# KiCad board demomatrix.kicad_pcb (continued)
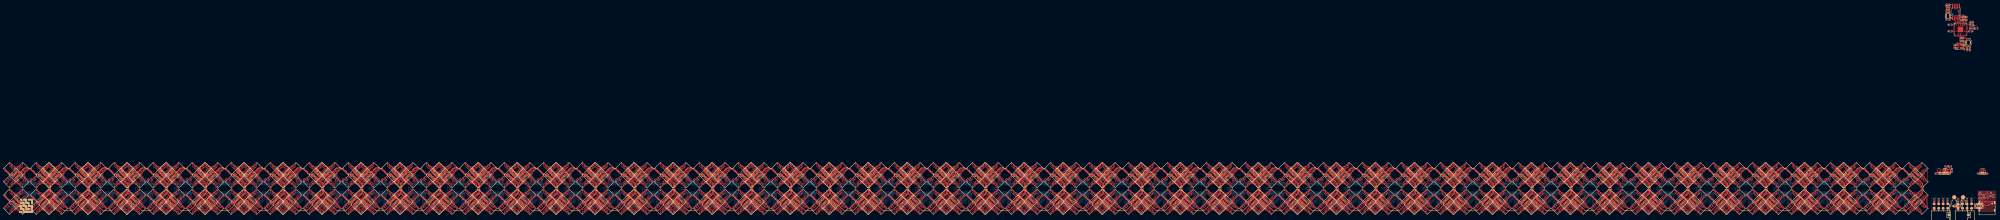
[diagram p0: board, top side]
## Library data of the parts (continued)
R57 = -: Datasheet: https://www.lcsc.com/datasheet/lcsc_datasheet_2206010216_UNI-ROYAL-Uniroyal-Elec-0402WGF1001TCE_C11702.pdf; LCSC: C11702; Manufacturer: UNI-ROYAL(Uniroyal Elec); Partnumber: 0402WGF1001TCE; PARAM_max_power: {"type": "Quantity_Set_Discrete", "data": {"intervals": {"type": "Numeric_Interval_Disjoint", "data": {"intervals": [{"type": "Numeric_Interval", "data": {"min": 0.0625, "max": 0.0625}}]}}, "unit": "watt"}}; PARAM_max_voltage: {"type": "Quantity_Set_Discrete", "data": {"intervals": {"type": "Numeric_Interval_Disjoint", "data": {"intervals": [{"type": "Numeric_Interval", "data": {"min": 50.0, "max": 50.0}}]}}, "unit": "volt"}}; PARAM_resistance: {"type": "Quantity_Interval_Disjoint", "data": {"intervals": {"type": "Numeric_Interval_Disjoint", "data": {"intervals": [{"type": "Numeric_Interval", "data": {"min": 990.0000002235174, "max": 1009.9999997764826}}]}}, "unit": "ohm"}}; atopile_address: debug_header.headers[1].protection_resistors[3]; atopile_subaddresses: [.ato/modules/atopile/saleae-header/layouts/rightangle-2/rightangle-2.kicad_pcb:headers[1].protection_resistors[3], .ato/modules/atopile/saleae-header/layouts/rightangle/rightangle.kicad_pcb:protection_resistors[3]]
R58 = -: Datasheet: https://www.lcsc.com/datasheet/lcsc_datasheet_2411221126_UNI-ROYAL-Uniroyal-Elec-0402WGF1002TCE_C25744.pdf; LCSC: C25744; Manufacturer: UNI-ROYAL(Uniroyal Elec); Partnumber: 0402WGF1002TCE; PARAM_max_power: {"type": "Quantity_Set_Discrete", "data": {"intervals": {"type": "Numeric_Interval_Disjoint", "data": {"intervals": [{"type": "Numeric_Interval", "data": {"min": 0.0625, "max": 0.0625}}]}}, "unit": "watt"}}; PARAM_max_voltage: {"type": "Quantity_Set_Discrete", "data": {"intervals": {"type": "Numeric_Interval_Disjoint", "data": {"intervals": [{"type": "Numeric_Interval", "data": {"min": 50.0, "max": 50.0}}]}}, "unit": "volt"}}; PARAM_resistance: {"type": "Quantity_Interval_Disjoint", "data": {"intervals": {"type": "Numeric_Interval_Disjoint", "data": {"intervals": [{"type": "Numeric_Interval", "data": {"min": 9900.000002235174, "max": 10099.999997764826}}]}}, "unit": "ohm"}}; atopile_address: ldo.feedback_divider.r_bottom; atopile_subaddresses: [.ato/modules/atopile/st-ldk220/layouts/default/default.kicad_pcb:feedback_divider.r_bottom]
R59 = -: Datasheet: https://www.lcsc.com/datasheet/lcsc_datasheet_2304140030_YAGEO-RC0402FR-0718KL_C138044.pdf; LCSC: C138044; Manufacturer: YAGEO; Partnumber: RC0402FR-0718KL; PARAM_max_power: {"type": "Quantity_Set_Discrete", "data": {"intervals": {"type": "Numeric_Interval_Disjoint", "data": {"intervals": [{"type": "Numeric_Interval", "data": {"min": 0.0625, "max": 0.0625}}]}}, "unit": "watt"}}; PARAM_max_voltage: {"type": "Quantity_Set_Discrete", "data": {"intervals": {"type": "Numeric_Interval_Disjoint", "data": {"intervals": [{"type": "Numeric_Interval", "data": {"min": 50.0, "max": 50.0}}]}}, "unit": "volt"}}; PARAM_resistance: {"type": "Quantity_Interval_Disjoint", "data": {"intervals": {"type": "Numeric_Interval_Disjoint", "data": {"intervals": [{"type": "Numeric_Interval", "data": {"min": 17820.000004023314, "max": 18179.999995976686}}]}}, "unit": "ohm"}}; atopile_address: ldo.feedback_divider.r_top; atopile_subaddresses: [.ato/modules/atopile/st-ldk220/layouts/default/default.kicad_pcb:feedback_divider.r_top]
R60 = -: Datasheet: https://www.lcsc.com/datasheet/lcsc_datasheet_2411221126_UNI-ROYAL-Uniroyal-Elec-0402WGF1002TCE_C25744.pdf; LCSC: C25744; Manufacturer: UNI-ROYAL(Uniroyal Elec); Partnumber: 0402WGF1002TCE; PARAM_max_power: {"type": "Quantity_Set_Discrete", "data": {"intervals": {"type": "Numeric_Interval_Disjoint", "data": {"intervals": [{"type": "Numeric_Interval", "data": {"min": 0.0625, "max": 0.0625}}]}}, "unit": "watt"}}; PARAM_max_voltage: {"type": "Quantity_Set_Discrete", "data": {"intervals": {"type": "Numeric_Interval_Disjoint", "data": {"intervals": [{"type": "Numeric_Interval", "data": {"min": 50.0, "max": 50.0}}]}}, "unit": "volt"}}; PARAM_resistance: {"type": "Quantity_Interval_Disjoint", "data": {"intervals": {"type": "Numeric_Interval_Disjoint", "data": {"intervals": [{"type": "Numeric_Interval", "data": {"min": 9900.000002235174, "max": 10099.999997764826}}]}}, "unit": "ohm"}}; atopile_address: led_3v3.resistor; atopile_subaddresses: [.ato/modules/atopile/indicator-leds/layouts/green/green.kicad_pcb:resistor]
R61 = -: Datasheet: https://www.lcsc.com/datasheet/lcsc_datasheet_2411221126_UNI-ROYAL-Uniroyal-Elec-0402WGF1002TCE_C25744.pdf; LCSC: C25744; Manufacturer: UNI-ROYAL(Uniroyal Elec); Partnumber: 0402WGF1002TCE; PARAM_max_power: {"type": "Quantity_Set_Discrete", "data": {"intervals": {"type": "Numeric_Interval_Disjoint", "data": {"intervals": [{"type": "Numeric_Interval", "data": {"min": 0.0625, "max": 0.0625}}]}}, "unit": "watt"}}; PARAM_max_voltage: {"type": "Quantity_Set_Discrete", "data": {"intervals": {"type": "Numeric_Interval_Disjoint", "data": {"intervals": [{"type": "Numeric_Interval", "data": {"min": 50.0, "max": 50.0}}]}}, "unit": "volt"}}; PARAM_resistance: {"type": "Quantity_Interval_Disjoint", "data": {"intervals": {"type": "Numeric_Interval_Disjoint", "data": {"intervals": [{"type": "Numeric_Interval", "data": {"min": 9900.000002235174, "max": 10099.999997764826}}]}}, "unit": "ohm"}}; atopile_address: led_5v.resistor; atopile_subaddresses: [.ato/modules/atopile/indicator-leds/layouts/blue/blue.kicad_pcb:resistor]
R62 = -: Datasheet: https://www.lcsc.com/datasheet/lcsc_datasheet_2411221126_UNI-ROYAL-Uniroyal-Elec-0402WGF1002TCE_C25744.pdf; LCSC: C25744; Manufacturer: UNI-ROYAL(Uniroyal Elec); Partnumber: 0402WGF1002TCE; PARAM_max_power: {"type": "Quantity_Set_Discrete", "data": {"intervals": {"type": "Numeric_Interval_Disjoint", "data": {"intervals": [{"type": "Numeric_Interval", "data": {"min": 0.0625, "max": 0.0625}}]}}, "unit": "watt"}}; PARAM_max_voltage: {"type": "Quantity_Set_Discrete", "data": {"intervals": {"type": "Numeric_Interval_Disjoint", "data": {"intervals": [{"type": "Numeric_Interval", "data": {"min": 50.0, "max": 50.0}}]}}, "unit": "volt"}}; PARAM_resistance: {"type": "Quantity_Interval_Disjoint", "data": {"intervals": {"type": "Numeric_Interval_Disjoint", "data": {"intervals": [{"type": "Numeric_Interval", "data": {"min": 9900.000002235174, "max": 10099.999997764826}}]}}, "unit": "ohm"}}; atopile_address: micro.boot_switch.filter.resistor; atopile_subaddresses: [.ato/modules/atopile/raspberry-rp2040/layouts/default/default.kicad_pcb:boot_switch.filter.resistor]
R63 = -: Datasheet: https://www.lcsc.com/datasheet/lcsc_datasheet_2206010216_UNI-ROYAL-Uniroyal-Elec-0402WGF1001TCE_C11702.pdf; LCSC: C11702; Manufacturer: UNI-ROYAL(Uniroyal Elec); Partnumber: 0402WGF1001TCE; PARAM_max_power: {"type": "Quantity_Set_Discrete", "data": {"intervals": {"type": "Numeric_Interval_Disjoint", "data": {"intervals": [{"type": "Numeric_Interval", "data": {"min": 0.0625, "max": 0.0625}}]}}, "unit": "watt"}}; PARAM_max_voltage: {"type": "Quantity_Set_Discrete", "data": {"intervals": {"type": "Numeric_Interval_Disjoint", "data": {"intervals": [{"type": "Numeric_Interval", "data": {"min": 50.0, "max": 50.0}}]}}, "unit": "volt"}}; PARAM_resistance: {"type": "Quantity_Interval_Disjoint", "data": {"intervals": {"type": "Numeric_Interval_Disjoint", "data": {"intervals": [{"type": "Numeric_Interval", "data": {"min": 990.0000002235174, "max": 1009.9999997764826}}]}}, "unit": "ohm"}}; atopile_address: micro.crystal_oscillator.current_limiting_resistor; atopile_subaddresses: [.ato/modules/atopile/raspberry-rp2040/layouts/default/default.kicad_pcb:crystal_oscillator.current_limiting_resistor]
R64 = -: Datasheet: https://www.lcsc.com/datasheet/lcsc_datasheet_2411221126_UNI-ROYAL-Uniroyal-Elec-0402WGF1002TCE_C25744.pdf; LCSC: C25744; Manufacturer: UNI-ROYAL(Uniroyal Elec); Partnumber: 0402WGF1002TCE; PARAM_max_power: {"type": "Quantity_Set_Discrete", "data": {"intervals": {"type": "Numeric_Interval_Disjoint", "data": {"intervals": [{"type": "Numeric_Interval", "data": {"min": 0.0625, "max": 0.0625}}]}}, "unit": "watt"}}; PARAM_max_voltage: {"type": "Quantity_Set_Discrete", "data": {"intervals": {"type": "Numeric_Interval_Disjoint", "data": {"intervals": [{"type": "Numeric_Interval", "data": {"min": 50.0, "max": 50.0}}]}}, "unit": "volt"}}; PARAM_resistance: {"type": "Quantity_Interval_Disjoint", "data": {"intervals": {"type": "Numeric_Interval_Disjoint", "data": {"intervals": [{"type": "Numeric_Interval", "data": {"min": 9900.000002235174, "max": 10099.999997764826}}]}}, "unit": "ohm"}}; atopile_address: micro.red_led.current_limiting_resistor; atopile_subaddresses: [.ato/modules/atopile/raspberry-rp2040/layouts/default/default.kicad_pcb:red_led.current_limiting_resistor]
R65 = -: Datasheet: https://www.lcsc.com/datasheet/lcsc_datasheet_2411221126_UNI-ROYAL-Uniroyal-Elec-0402WGF1002TCE_C25744.pdf; LCSC: C25744; Manufacturer: UNI-ROYAL(Uniroyal Elec); Partnumber: 0402WGF1002TCE; PARAM_max_power: {"type": "Quantity_Set_Discrete", "data": {"intervals": {"type": "Numeric_Interval_Disjoint", "data": {"intervals": [{"type": "Numeric_Interval", "data": {"min": 0.0625, "max": 0.0625}}]}}, "unit": "watt"}}; PARAM_max_voltage: {"type": "Quantity_Set_Discrete", "data": {"intervals": {"type": "Numeric_Interval_Disjoint", "data": {"intervals": [{"type": "Numeric_Interval", "data": {"min": 50.0, "max": 50.0}}]}}, "unit": "volt"}}; PARAM_resistance: {"type": "Quantity_Interval_Disjoint", "data": {"intervals": {"type": "Numeric_Interval_Disjoint", "data": {"intervals": [{"type": "Numeric_Interval", "data": {"min": 9900.000002235174, "max": 10099.999997764826}}]}}, "unit": "ohm"}}; atopile_address: micro.reset_switch.filter.resistor; atopile_subaddresses: [.ato/modules/atopile/raspberry-rp2040/layouts/default/default.kicad_pcb:reset_switch.filter.resistor]
R66 = -: Datasheet: https://www.lcsc.com/datasheet/lcsc_datasheet_2304140030_YAGEO-RC0402FR-0727RL_C138021.pdf; LCSC: C138021; Manufacturer: YAGEO; Partnumber: RC0402FR-0727RL; PARAM_max_power: {"type": "Quantity_Set_Discrete", "data": {"intervals": {"type": "Numeric_Interval_Disjoint", "data": {"intervals": [{"type": "Numeric_Interval", "data": {"min": 0.0625, "max": 0.0625}}]}}, "unit": "watt"}}; PARAM_max_voltage: {"type": "Quantity_Set_Discrete", "data": {"intervals": {"type": "Numeric_Interval_Disjoint", "data": {"intervals": [{"type": "Numeric_Interval", "data": {"min": 50.0, "max": 50.0}}]}}, "unit": "volt"}}; PARAM_resistance: {"type": "Quantity_Interval_Disjoint", "data": {"intervals": {"type": "Numeric_Interval_Disjoint", "data": {"intervals": [{"type": "Numeric_Interval", "data": {"min": 26.73000000603497, "max": 27.26999999396503}}]}}, "unit": "ohm"}}; atopile_address: micro.usb_termination.termination_resistors[0]; atopile_subaddresses: [.ato/modules/atopile/raspberry-rp2040/layouts/default/default.kicad_pcb:usb_termination.termination_resistors[0]]
R67 = -: Datasheet: https://www.lcsc.com/datasheet/lcsc_datasheet_2304140030_YAGEO-RC0402FR-0727RL_C138021.pdf; LCSC: C138021; Manufacturer: YAGEO; Partnumber: RC0402FR-0727RL; PARAM_max_power: {"type": "Quantity_Set_Discrete", "data": {"intervals": {"type": "Numeric_Interval_Disjoint", "data": {"intervals": [{"type": "Numeric_Interval", "data": {"min": 0.0625, "max": 0.0625}}]}}, "unit": "watt"}}; PARAM_max_voltage: {"type": "Quantity_Set_Discrete", "data": {"intervals": {"type": "Numeric_Interval_Disjoint", "data": {"intervals": [{"type": "Numeric_Interval", "data": {"min": 50.0, "max": 50.0}}]}}, "unit": "volt"}}; PARAM_resistance: {"type": "Quantity_Interval_Disjoint", "data": {"intervals": {"type": "Numeric_Interval_Disjoint", "data": {"intervals": [{"type": "Numeric_Interval", "data": {"min": 26.73000000603497, "max": 27.26999999396503}}]}}, "unit": "ohm"}}; atopile_address: micro.usb_termination.termination_resistors[1]; atopile_subaddresses: [.ato/modules/atopile/raspberry-rp2040/layouts/default/default.kicad_pcb:usb_termination.termination_resistors[1]]
R68 = -: Datasheet: https://www.lcsc.com/datasheet/lcsc_datasheet_2411221126_UNI-ROYAL-Uniroyal-Elec-0402WGF1002TCE_C25744.pdf; LCSC: C25744; Manufacturer: UNI-ROYAL(Uniroyal Elec); Partnumber: 0402WGF1002TCE; PARAM_max_power: {"type": "Quantity_Set_Discrete", "data": {"intervals": {"type": "Numeric_Interval_Disjoint", "data": {"intervals": [{"type": "Numeric_Interval", "data": {"min": 0.0625, "max": 0.0625}}]}}, "unit": "watt"}}; PARAM_max_voltage: {"type": "Quantity_Set_Discrete", "data": {"intervals": {"type": "Numeric_Interval_Disjoint", "data": {"intervals": [{"type": "Numeric_Interval", "data": {"min": 50.0, "max": 50.0}}]}}, "unit": "volt"}}; PARAM_resistance: {"type": "Quantity_Interval_Disjoint", "data": {"intervals": {"type": "Numeric_Interval_Disjoint", "data": {"intervals": [{"type": "Numeric_Interval", "data": {"min": 9900.000002235174, "max": 10099.999997764826}}]}}, "unit": "ohm"}}; atopile_address: reset_pullup
R69 = -: Datasheet: https://www.lcsc.com/datasheet/lcsc_datasheet_2206010045_UNI-ROYAL-Uniroyal-Elec-0402WGF5101TCE_C25905.pdf; LCSC: C25905; Manufacturer: UNI-ROYAL(Uniroyal Elec); Partnumber: 0402WGF5101TCE; PARAM_max_power: {"type": "Quantity_Set_Discrete", "data": {"intervals": {"type": "Numeric_Interval_Disjoint", "data": {"intervals": [{"type": "Numeric_Interval", "data": {"min": 0.0625, "max": 0.0625}}]}}, "unit": "watt"}}; PARAM_max_voltage: {"type": "Quantity_Set_Discrete", "data": {"intervals": {"type": "Numeric_Interval_Disjoint", "data": {"intervals": [{"type": "Numeric_Interval", "data": {"min": 50.0, "max": 50.0}}]}}, "unit": "volt"}}; PARAM_resistance: {"type": "Quantity_Interval_Disjoint", "data": {"intervals": {"type": "Numeric_Interval_Disjoint", "data": {"intervals": [{"type": "Numeric_Interval", "data": {"min": 5049.000001139939, "max": 5150.999998860061}}]}}, "unit": "ohm"}}; atopile_address: usb_c.cc_resistors[0]; atopile_subaddresses: [.ato/modules/atopile/usb-connectors/layouts/default/default.kicad_pcb:cc_resistors[0]]
R70 = -: Datasheet: https://www.lcsc.com/datasheet/lcsc_datasheet_2206010045_UNI-ROYAL-Uniroyal-Elec-0402WGF5101TCE_C25905.pdf; LCSC: C25905; Manufacturer: UNI-ROYAL(Uniroyal Elec); Partnumber: 0402WGF5101TCE; PARAM_max_power: {"type": "Quantity_Set_Discrete", "data": {"intervals": {"type": "Numeric_Interval_Disjoint", "data": {"intervals": [{"type": "Numeric_Interval", "data": {"min": 0.0625, "max": 0.0625}}]}}, "unit": "watt"}}; PARAM_max_voltage: {"type": "Quantity_Set_Discrete", "data": {"intervals": {"type": "Numeric_Interval_Disjoint", "data": {"intervals": [{"type": "Numeric_Interval", "data": {"min": 50.0, "max": 50.0}}]}}, "unit": "volt"}}; PARAM_resistance: {"type": "Quantity_Interval_Disjoint", "data": {"intervals": {"type": "Numeric_Interval_Disjoint", "data": {"intervals": [{"type": "Numeric_Interval", "data": {"min": 5049.000001139939, "max": 5150.999998860061}}]}}, "unit": "ohm"}}; atopile_address: usb_c.cc_resistors[1]; atopile_subaddresses: [.ato/modules/atopile/usb-connectors/layouts/default/default.kicad_pcb:cc_resistors[1]]
SW1 = -: LCSC: C139797; Manufacturer: ALPSALPINE; Partnumber: SKRPACE010; atopile_address: micro.boot_switch.switch.package; atopile_subaddresses: [.ato/modules/atopile/raspberry-rp2040/layouts/default/default.kicad_pcb:boot_switch.switch.package]
SW2 = -: LCSC: C139797; Manufacturer: ALPSALPINE; Partnumber: SKRPACE010; atopile_address: micro.reset_switch.switch.package; atopile_subaddresses: [.ato/modules/atopile/raspberry-rp2040/layouts/default/default.kicad_pcb:reset_switch.switch.package]
SW3 = -: LCSC: C139797; Manufacturer: ALPSALPINE; Partnumber: SKRPACE010; atopile_address: micro_boot_btn.package
SW4 = -: LCSC: C139797; Manufacturer: ALPSALPINE; Partnumber: SKRPACE010; atopile_address: micro_reset_btn.package
U1 = -: Datasheet: https://lcsc.com/datasheet/lcsc_datasheet_1811151431_MBI-MBI5043GP-A_C110098.pdf; LCSC: C110098; Manufacturer: MBI; Partnumber: MBI5043GP-A; atopile_address: clusters[0].driver.package; atopile_subaddresses: [elec/layout/cluster2x2/cluster2x2.kicad_pcb:driver.package, elec/src/macroblock-mbi5043/layouts/default/default.kicad_pcb:package]
U2 = -: atopile_address: clusters[0].rows[0].pixels[0].generic_pixel; atopile_subaddresses: [elec/layout/cluster2x2/cluster2x2.kicad_pcb:rows[0].pixels[0].generic_pixel, elec/layout/pixel15hl5050/pixel15hl5050.kicad_pcb:generic_pixel, elec/layout/row2/row2.kicad_pcb:pixels[0].generic_pixel]
U3 = -: atopile_address: clusters[0].rows[0].pixels[1].generic_pixel; atopile_subaddresses: [elec/layout/cluster2x2/cluster2x2.kicad_pcb:rows[0].pixels[1].generic_pixel, elec/layout/pixel15hl5050/pixel15hl5050.kicad_pcb:generic_pixel, elec/layout/row2/row2.kicad_pcb:pixels[1].generic_pixel]
U4 = -: atopile_address: clusters[0].rows[1].pixels[0].generic_pixel; atopile_subaddresses: [elec/layout/cluster2x2/cluster2x2.kicad_pcb:rows[1].pixels[0].generic_pixel, elec/layout/pixel15hl5050/pixel15hl5050.kicad_pcb:generic_pixel, elec/layout/row2/row2.kicad_pcb:pixels[0].generic_pixel]
U5 = -: atopile_address: clusters[0].rows[1].pixels[1].generic_pixel; atopile_subaddresses: [elec/layout/cluster2x2/cluster2x2.kicad_pcb:rows[1].pixels[1].generic_pixel, elec/layout/pixel15hl5050/pixel15hl5050.kicad_pcb:generic_pixel, elec/layout/row2/row2.kicad_pcb:pixels[1].generic_pixel]
U6 = -: Datasheet: https://lcsc.com/datasheet/lcsc_datasheet_1811151431_MBI-MBI5043GP-A_C110098.pdf; LCSC: C110098; Manufacturer: MBI; Partnumber: MBI5043GP-A; atopile_address: clusters[1].driver.package; atopile_subaddresses: [elec/layout/cluster2x2/cluster2x2.kicad_pcb:driver.package, elec/src/macroblock-mbi5043/layouts/default/default.kicad_pcb:package]
U7 = -: atopile_address: clusters[1].rows[0].pixels[0].generic_pixel; atopile_subaddresses: [elec/layout/cluster2x2/cluster2x2.kicad_pcb:rows[0].pixels[0].generic_pixel, elec/layout/pixel15hl5050/pixel15hl5050.kicad_pcb:generic_pixel, elec/layout/row2/row2.kicad_pcb:pixels[0].generic_pixel]
U8 = -: atopile_address: clusters[1].rows[0].pixels[1].generic_pixel; atopile_subaddresses: [elec/layout/cluster2x2/cluster2x2.kicad_pcb:rows[0].pixels[1].generic_pixel, elec/layout/pixel15hl5050/pixel15hl5050.kicad_pcb:generic_pixel, elec/layout/row2/row2.kicad_pcb:pixels[1].generic_pixel]
U9 = -: atopile_address: clusters[1].rows[1].pixels[0].generic_pixel; atopile_subaddresses: [elec/layout/cluster2x2/cluster2x2.kicad_pcb:rows[1].pixels[0].generic_pixel, elec/layout/pixel15hl5050/pixel15hl5050.kicad_pcb:generic_pixel, elec/layout/row2/row2.kicad_pcb:pixels[0].generic_pixel]
U10 = -: atopile_address: clusters[1].rows[1].pixels[1].generic_pixel; atopile_subaddresses: [elec/layout/cluster2x2/cluster2x2.kicad_pcb:rows[1].pixels[1].generic_pixel, elec/layout/pixel15hl5050/pixel15hl5050.kicad_pcb:generic_pixel, elec/layout/row2/row2.kicad_pcb:pixels[1].generic_pixel]
U11 = -: Datasheet: https://lcsc.com/datasheet/lcsc_datasheet_1811151431_MBI-MBI5043GP-A_C110098.pdf; LCSC: C110098; Manufacturer: MBI; Partnumber: MBI5043GP-A; atopile_address: clusters[2].driver.package; atopile_subaddresses: [elec/layout/cluster2x2/cluster2x2.kicad_pcb:driver.package, elec/src/macroblock-mbi5043/layouts/default/default.kicad_pcb:package]
U12 = -: atopile_address: clusters[2].rows[0].pixels[0].generic_pixel; atopile_subaddresses: [elec/layout/cluster2x2/cluster2x2.kicad_pcb:rows[0].pixels[0].generic_pixel, elec/layout/pixel15hl5050/pixel15hl5050.kicad_pcb:generic_pixel, elec/layout/row2/row2.kicad_pcb:pixels[0].generic_pixel]
U13 = -: atopile_address: clusters[2].rows[0].pixels[1].generic_pixel; atopile_subaddresses: [elec/layout/cluster2x2/cluster2x2.kicad_pcb:rows[0].pixels[1].generic_pixel, elec/layout/pixel15hl5050/pixel15hl5050.kicad_pcb:generic_pixel, elec/layout/row2/row2.kicad_pcb:pixels[1].generic_pixel]
U14 = -: atopile_address: clusters[2].rows[1].pixels[0].generic_pixel; atopile_subaddresses: [elec/layout/cluster2x2/cluster2x2.kicad_pcb:rows[1].pixels[0].generic_pixel, elec/layout/pixel15hl5050/pixel15hl5050.kicad_pcb:generic_pixel, elec/layout/row2/row2.kicad_pcb:pixels[0].generic_pixel]
U15 = -: atopile_address: clusters[2].rows[1].pixels[1].generic_pixel; atopile_subaddresses: [elec/layout/cluster2x2/cluster2x2.kicad_pcb:rows[1].pixels[1].generic_pixel, elec/layout/pixel15hl5050/pixel15hl5050.kicad_pcb:generic_pixel, elec/layout/row2/row2.kicad_pcb:pixels[1].generic_pixel]
U16 = -: Datasheet: https://lcsc.com/datasheet/lcsc_datasheet_1811151431_MBI-MBI5043GP-A_C110098.pdf; LCSC: C110098; Manufacturer: MBI; Partnumber: MBI5043GP-A; atopile_address: clusters[3].driver.package; atopile_subaddresses: [elec/layout/cluster2x2/cluster2x2.kicad_pcb:driver.package, elec/src/macroblock-mbi5043/layouts/default/default.kicad_pcb:package]
U17 = -: atopile_address: clusters[3].rows[0].pixels[0].generic_pixel; atopile_subaddresses: [elec/layout/cluster2x2/cluster2x2.kicad_pcb:rows[0].pixels[0].generic_pixel, elec/layout/pixel15hl5050/pixel15hl5050.kicad_pcb:generic_pixel, elec/layout/row2/row2.kicad_pcb:pixels[0].generic_pixel]
U18 = -: atopile_address: clusters[3].rows[0].pixels[1].generic_pixel; atopile_subaddresses: [elec/layout/cluster2x2/cluster2x2.kicad_pcb:rows[0].pixels[1].generic_pixel, elec/layout/pixel15hl5050/pixel15hl5050.kicad_pcb:generic_pixel, elec/layout/row2/row2.kicad_pcb:pixels[1].generic_pixel]
U19 = -: atopile_address: clusters[3].rows[1].pixels[0].generic_pixel; atopile_subaddresses: [elec/layout/cluster2x2/cluster2x2.kicad_pcb:rows[1].pixels[0].generic_pixel, elec/layout/pixel15hl5050/pixel15hl5050.kicad_pcb:generic_pixel, elec/layout/row2/row2.kicad_pcb:pixels[0].generic_pixel]
U20 = -: atopile_address: clusters[3].rows[1].pixels[1].generic_pixel; atopile_subaddresses: [elec/layout/cluster2x2/cluster2x2.kicad_pcb:rows[1].pixels[1].generic_pixel, elec/layout/pixel15hl5050/pixel15hl5050.kicad_pcb:generic_pixel, elec/layout/row2/row2.kicad_pcb:pixels[1].generic_pixel]
U21 = -: Datasheet: https://lcsc.com/datasheet/lcsc_datasheet_1811151431_MBI-MBI5043GP-A_C110098.pdf; LCSC: C110098; Manufacturer: MBI; Partnumber: MBI5043GP-A; atopile_address: clusters[4].driver.package; atopile_subaddresses: [elec/layout/cluster2x2/cluster2x2.kicad_pcb:driver.package, elec/src/macroblock-mbi5043/layouts/default/default.kicad_pcb:package]
U22 = -: atopile_address: clusters[4].rows[0].pixels[0].generic_pixel; atopile_subaddresses: [elec/layout/cluster2x2/cluster2x2.kicad_pcb:rows[0].pixels[0].generic_pixel, elec/layout/pixel15hl5050/pixel15hl5050.kicad_pcb:generic_pixel, elec/layout/row2/row2.kicad_pcb:pixels[0].generic_pixel]
U23 = -: atopile_address: clusters[4].rows[0].pixels[1].generic_pixel; atopile_subaddresses: [elec/layout/cluster2x2/cluster2x2.kicad_pcb:rows[0].pixels[1].generic_pixel, elec/layout/pixel15hl5050/pixel15hl5050.kicad_pcb:generic_pixel, elec/layout/row2/row2.kicad_pcb:pixels[1].generic_pixel]
U24 = -: atopile_address: clusters[4].rows[1].pixels[0].generic_pixel; atopile_subaddresses: [elec/layout/cluster2x2/cluster2x2.kicad_pcb:rows[1].pixels[0].generic_pixel, elec/layout/pixel15hl5050/pixel15hl5050.kicad_pcb:generic_pixel, elec/layout/row2/row2.kicad_pcb:pixels[0].generic_pixel]
U25 = -: atopile_address: clusters[4].rows[1].pixels[1].generic_pixel; atopile_subaddresses: [elec/layout/cluster2x2/cluster2x2.kicad_pcb:rows[1].pixels[1].generic_pixel, elec/layout/pixel15hl5050/pixel15hl5050.kicad_pcb:generic_pixel, elec/layout/row2/row2.kicad_pcb:pixels[1].generic_pixel]
U26 = -: Datasheet: https://lcsc.com/datasheet/lcsc_datasheet_1811151431_MBI-MBI5043GP-A_C110098.pdf; LCSC: C110098; Manufacturer: MBI; Partnumber: MBI5043GP-A; atopile_address: clusters[5].driver.package; atopile_subaddresses: [elec/layout/cluster2x2/cluster2x2.kicad_pcb:driver.package, elec/src/macroblock-mbi5043/layouts/default/default.kicad_pcb:package]
U27 = -: atopile_address: clusters[5].rows[0].pixels[0].generic_pixel; atopile_subaddresses: [elec/layout/cluster2x2/cluster2x2.kicad_pcb:rows[0].pixels[0].generic_pixel, elec/layout/pixel15hl5050/pixel15hl5050.kicad_pcb:generic_pixel, elec/layout/row2/row2.kicad_pcb:pixels[0].generic_pixel]
U28 = -: atopile_address: clusters[5].rows[0].pixels[1].generic_pixel; atopile_subaddresses: [elec/layout/cluster2x2/cluster2x2.kicad_pcb:rows[0].pixels[1].generic_pixel, elec/layout/pixel15hl5050/pixel15hl5050.kicad_pcb:generic_pixel, elec/layout/row2/row2.kicad_pcb:pixels[1].generic_pixel]
U29 = -: atopile_address: clusters[5].rows[1].pixels[0].generic_pixel; atopile_subaddresses: [elec/layout/cluster2x2/cluster2x2.kicad_pcb:rows[1].pixels[0].generic_pixel, elec/layout/pixel15hl5050/pixel15hl5050.kicad_pcb:generic_pixel, elec/layout/row2/row2.kicad_pcb:pixels[0].generic_pixel]
U30 = -: atopile_address: clusters[5].rows[1].pixels[1].generic_pixel; atopile_subaddresses: [elec/layout/cluster2x2/cluster2x2.kicad_pcb:rows[1].pixels[1].generic_pixel, elec/layout/pixel15hl5050/pixel15hl5050.kicad_pcb:generic_pixel, elec/layout/row2/row2.kicad_pcb:pixels[1].generic_pixel]
U31 = -: Datasheet: https://lcsc.com/datasheet/lcsc_datasheet_1811151431_MBI-MBI5043GP-A_C110098.pdf; LCSC: C110098; Manufacturer: MBI; Partnumber: MBI5043GP-A; atopile_address: clusters[6].driver.package; atopile_subaddresses: [elec/layout/cluster2x2/cluster2x2.kicad_pcb:driver.package, elec/src/macroblock-mbi5043/layouts/default/default.kicad_pcb:package]
U32 = -: atopile_address: clusters[6].rows[0].pixels[0].generic_pixel; atopile_subaddresses: [elec/layout/cluster2x2/cluster2x2.kicad_pcb:rows[0].pixels[0].generic_pixel, elec/layout/pixel15hl5050/pixel15hl5050.kicad_pcb:generic_pixel, elec/layout/row2/row2.kicad_pcb:pixels[0].generic_pixel]
U33 = -: atopile_address: clusters[6].rows[0].pixels[1].generic_pixel; atopile_subaddresses: [elec/layout/cluster2x2/cluster2x2.kicad_pcb:rows[0].pixels[1].generic_pixel, elec/layout/pixel15hl5050/pixel15hl5050.kicad_pcb:generic_pixel, elec/layout/row2/row2.kicad_pcb:pixels[1].generic_pixel]
U34 = -: atopile_address: clusters[6].rows[1].pixels[0].generic_pixel; atopile_subaddresses: [elec/layout/cluster2x2/cluster2x2.kicad_pcb:rows[1].pixels[0].generic_pixel, elec/layout/pixel15hl5050/pixel15hl5050.kicad_pcb:generic_pixel, elec/layout/row2/row2.kicad_pcb:pixels[0].generic_pixel]
U35 = -: atopile_address: clusters[6].rows[1].pixels[1].generic_pixel; atopile_subaddresses: [elec/layout/cluster2x2/cluster2x2.kicad_pcb:rows[1].pixels[1].generic_pixel, elec/layout/pixel15hl5050/pixel15hl5050.kicad_pcb:generic_pixel, elec/layout/row2/row2.kicad_pcb:pixels[1].generic_pixel]
U36 = -: Datasheet: https://lcsc.com/datasheet/lcsc_datasheet_1811151431_MBI-MBI5043GP-A_C110098.pdf; LCSC: C110098; Manufacturer: MBI; Partnumber: MBI5043GP-A; atopile_address: clusters[7].driver.package; atopile_subaddresses: [elec/layout/cluster2x2/cluster2x2.kicad_pcb:driver.package, elec/src/macroblock-mbi5043/layouts/default/default.kicad_pcb:package]
U37 = -: atopile_address: clusters[7].rows[0].pixels[0].generic_pixel; atopile_subaddresses: [elec/layout/cluster2x2/cluster2x2.kicad_pcb:rows[0].pixels[0].generic_pixel, elec/layout/pixel15hl5050/pixel15hl5050.kicad_pcb:generic_pixel, elec/layout/row2/row2.kicad_pcb:pixels[0].generic_pixel]
U38 = -: atopile_address: clusters[7].rows[0].pixels[1].generic_pixel; atopile_subaddresses: [elec/layout/cluster2x2/cluster2x2.kicad_pcb:rows[0].pixels[1].generic_pixel, elec/layout/pixel15hl5050/pixel15hl5050.kicad_pcb:generic_pixel, elec/layout/row2/row2.kicad_pcb:pixels[1].generic_pixel]
U39 = -: atopile_address: clusters[7].rows[1].pixels[0].generic_pixel; atopile_subaddresses: [elec/layout/cluster2x2/cluster2x2.kicad_pcb:rows[1].pixels[0].generic_pixel, elec/layout/pixel15hl5050/pixel15hl5050.kicad_pcb:generic_pixel, elec/layout/row2/row2.kicad_pcb:pixels[0].generic_pixel]
U40 = -: atopile_address: clusters[7].rows[1].pixels[1].generic_pixel; atopile_subaddresses: [elec/layout/cluster2x2/cluster2x2.kicad_pcb:rows[1].pixels[1].generic_pixel, elec/layout/pixel15hl5050/pixel15hl5050.kicad_pcb:generic_pixel, elec/layout/row2/row2.kicad_pcb:pixels[1].generic_pixel]
U41 = -: Datasheet: https://lcsc.com/datasheet/lcsc_datasheet_1811151431_MBI-MBI5043GP-A_C110098.pdf; LCSC: C110098; Manufacturer: MBI; Partnumber: MBI5043GP-A; atopile_address: clusters[8].driver.package; atopile_subaddresses: [elec/layout/cluster2x2/cluster2x2.kicad_pcb:driver.package, elec/src/macroblock-mbi5043/layouts/default/default.kicad_pcb:package]
U42 = -: atopile_address: clusters[8].rows[0].pixels[0].generic_pixel; atopile_subaddresses: [elec/layout/cluster2x2/cluster2x2.kicad_pcb:rows[0].pixels[0].generic_pixel, elec/layout/pixel15hl5050/pixel15hl5050.kicad_pcb:generic_pixel, elec/layout/row2/row2.kicad_pcb:pixels[0].generic_pixel]
U43 = -: atopile_address: clusters[8].rows[0].pixels[1].generic_pixel; atopile_subaddresses: [elec/layout/cluster2x2/cluster2x2.kicad_pcb:rows[0].pixels[1].generic_pixel, elec/layout/pixel15hl5050/pixel15hl5050.kicad_pcb:generic_pixel, elec/layout/row2/row2.kicad_pcb:pixels[1].generic_pixel]
U44 = -: atopile_address: clusters[8].rows[1].pixels[0].generic_pixel; atopile_subaddresses: [elec/layout/cluster2x2/cluster2x2.kicad_pcb:rows[1].pixels[0].generic_pixel, elec/layout/pixel15hl5050/pixel15hl5050.kicad_pcb:generic_pixel, elec/layout/row2/row2.kicad_pcb:pixels[0].generic_pixel]
U45 = -: atopile_address: clusters[8].rows[1].pixels[1].generic_pixel; atopile_subaddresses: [elec/layout/cluster2x2/cluster2x2.kicad_pcb:rows[1].pixels[1].generic_pixel, elec/layout/pixel15hl5050/pixel15hl5050.kicad_pcb:generic_pixel, elec/layout/row2/row2.kicad_pcb:pixels[1].generic_pixel]
U46 = -: Datasheet: https://lcsc.com/datasheet/lcsc_datasheet_1811151431_MBI-MBI5043GP-A_C110098.pdf; LCSC: C110098; Manufacturer: MBI; Partnumber: MBI5043GP-A; atopile_address: clusters[9].driver.package; atopile_subaddresses: [elec/layout/cluster2x2/cluster2x2.kicad_pcb:driver.package, elec/src/macroblock-mbi5043/layouts/default/default.kicad_pcb:package]
U47 = -: atopile_address: clusters[9].rows[0].pixels[0].generic_pixel; atopile_subaddresses: [elec/layout/cluster2x2/cluster2x2.kicad_pcb:rows[0].pixels[0].generic_pixel, elec/layout/pixel15hl5050/pixel15hl5050.kicad_pcb:generic_pixel, elec/layout/row2/row2.kicad_pcb:pixels[0].generic_pixel]
U48 = -: atopile_address: clusters[9].rows[0].pixels[1].generic_pixel; atopile_subaddresses: [elec/layout/cluster2x2/cluster2x2.kicad_pcb:rows[0].pixels[1].generic_pixel, elec/layout/pixel15hl5050/pixel15hl5050.kicad_pcb:generic_pixel, elec/layout/row2/row2.kicad_pcb:pixels[1].generic_pixel]
U49 = -: atopile_address: clusters[9].rows[1].pixels[0].generic_pixel; atopile_subaddresses: [elec/layout/cluster2x2/cluster2x2.kicad_pcb:rows[1].pixels[0].generic_pixel, elec/layout/pixel15hl5050/pixel15hl5050.kicad_pcb:generic_pixel, elec/layout/row2/row2.kicad_pcb:pixels[0].generic_pixel]
U50 = -: atopile_address: clusters[9].rows[1].pixels[1].generic_pixel; atopile_subaddresses: [elec/layout/cluster2x2/cluster2x2.kicad_pcb:rows[1].pixels[1].generic_pixel, elec/layout/pixel15hl5050/pixel15hl5050.kicad_pcb:generic_pixel, elec/layout/row2/row2.kicad_pcb:pixels[1].generic_pixel]
U51 = -: Datasheet: https://lcsc.com/datasheet/lcsc_datasheet_1811151431_MBI-MBI5043GP-A_C110098.pdf; LCSC: C110098; Manufacturer: MBI; Partnumber: MBI5043GP-A; atopile_address: clusters[10].driver.package; atopile_subaddresses: [elec/layout/cluster2x2/cluster2x2.kicad_pcb:driver.package, elec/src/macroblock-mbi5043/layouts/default/default.kicad_pcb:package]
U52 = -: atopile_address: clusters[10].rows[0].pixels[0].generic_pixel; atopile_subaddresses: [elec/layout/cluster2x2/cluster2x2.kicad_pcb:rows[0].pixels[0].generic_pixel, elec/layout/pixel15hl5050/pixel15hl5050.kicad_pcb:generic_pixel, elec/layout/row2/row2.kicad_pcb:pixels[0].generic_pixel]
U53 = -: atopile_address: clusters[10].rows[0].pixels[1].generic_pixel; atopile_subaddresses: [elec/layout/cluster2x2/cluster2x2.kicad_pcb:rows[0].pixels[1].generic_pixel, elec/layout/pixel15hl5050/pixel15hl5050.kicad_pcb:generic_pixel, elec/layout/row2/row2.kicad_pcb:pixels[1].generic_pixel]
U54 = -: atopile_address: clusters[10].rows[1].pixels[0].generic_pixel; atopile_subaddresses: [elec/layout/cluster2x2/cluster2x2.kicad_pcb:rows[1].pixels[0].generic_pixel, elec/layout/pixel15hl5050/pixel15hl5050.kicad_pcb:generic_pixel, elec/layout/row2/row2.kicad_pcb:pixels[0].generic_pixel]
U55 = -: atopile_address: clusters[10].rows[1].pixels[1].generic_pixel; atopile_subaddresses: [elec/layout/cluster2x2/cluster2x2.kicad_pcb:rows[1].pixels[1].generic_pixel, elec/layout/pixel15hl5050/pixel15hl5050.kicad_pcb:generic_pixel, elec/layout/row2/row2.kicad_pcb:pixels[1].generic_pixel]
U56 = -: Datasheet: https://lcsc.com/datasheet/lcsc_datasheet_1811151431_MBI-MBI5043GP-A_C110098.pdf; LCSC: C110098; Manufacturer: MBI; Partnumber: MBI5043GP-A; atopile_address: clusters[11].driver.package; atopile_subaddresses: [elec/layout/cluster2x2/cluster2x2.kicad_pcb:driver.package, elec/src/macroblock-mbi5043/layouts/default/default.kicad_pcb:package]
U57 = -: atopile_address: clusters[11].rows[0].pixels[0].generic_pixel; atopile_subaddresses: [elec/layout/cluster2x2/cluster2x2.kicad_pcb:rows[0].pixels[0].generic_pixel, elec/layout/pixel15hl5050/pixel15hl5050.kicad_pcb:generic_pixel, elec/layout/row2/row2.kicad_pcb:pixels[0].generic_pixel]
U58 = -: atopile_address: clusters[11].rows[0].pixels[1].generic_pixel; atopile_subaddresses: [elec/layout/cluster2x2/cluster2x2.kicad_pcb:rows[0].pixels[1].generic_pixel, elec/layout/pixel15hl5050/pixel15hl5050.kicad_pcb:generic_pixel, elec/layout/row2/row2.kicad_pcb:pixels[1].generic_pixel]
U59 = -: atopile_address: clusters[11].rows[1].pixels[0].generic_pixel; atopile_subaddresses: [elec/layout/cluster2x2/cluster2x2.kicad_pcb:rows[1].pixels[0].generic_pixel, elec/layout/pixel15hl5050/pixel15hl5050.kicad_pcb:generic_pixel, elec/layout/row2/row2.kicad_pcb:pixels[0].generic_pixel]
U60 = -: atopile_address: clusters[11].rows[1].pixels[1].generic_pixel; atopile_subaddresses: [elec/layout/cluster2x2/cluster2x2.kicad_pcb:rows[1].pixels[1].generic_pixel, elec/layout/pixel15hl5050/pixel15hl5050.kicad_pcb:generic_pixel, elec/layout/row2/row2.kicad_pcb:pixels[1].generic_pixel]
U61 = -: Datasheet: https://lcsc.com/datasheet/lcsc_datasheet_1811151431_MBI-MBI5043GP-A_C110098.pdf; LCSC: C110098; Manufacturer: MBI; Partnumber: MBI5043GP-A; atopile_address: clusters[12].driver.package; atopile_subaddresses: [elec/layout/cluster2x2/cluster2x2.kicad_pcb:driver.package, elec/src/macroblock-mbi5043/layouts/default/default.kicad_pcb:package]
U62 = -: atopile_address: clusters[12].rows[0].pixels[0].generic_pixel; atopile_subaddresses: [elec/layout/cluster2x2/cluster2x2.kicad_pcb:rows[0].pixels[0].generic_pixel, elec/layout/pixel15hl5050/pixel15hl5050.kicad_pcb:generic_pixel, elec/layout/row2/row2.kicad_pcb:pixels[0].generic_pixel]
U63 = -: atopile_address: clusters[12].rows[0].pixels[1].generic_pixel; atopile_subaddresses: [elec/layout/cluster2x2/cluster2x2.kicad_pcb:rows[0].pixels[1].generic_pixel, elec/layout/pixel15hl5050/pixel15hl5050.kicad_pcb:generic_pixel, elec/layout/row2/row2.kicad_pcb:pixels[1].generic_pixel]
U64 = -: atopile_address: clusters[12].rows[1].pixels[0].generic_pixel; atopile_subaddresses: [elec/layout/cluster2x2/cluster2x2.kicad_pcb:rows[1].pixels[0].generic_pixel, elec/layout/pixel15hl5050/pixel15hl5050.kicad_pcb:generic_pixel, elec/layout/row2/row2.kicad_pcb:pixels[0].generic_pixel]
U65 = -: atopile_address: clusters[12].rows[1].pixels[1].generic_pixel; atopile_subaddresses: [elec/layout/cluster2x2/cluster2x2.kicad_pcb:rows[1].pixels[1].generic_pixel, elec/layout/pixel15hl5050/pixel15hl5050.kicad_pcb:generic_pixel, elec/layout/row2/row2.kicad_pcb:pixels[1].generic_pixel]
U66 = -: Datasheet: https://lcsc.com/datasheet/lcsc_datasheet_1811151431_MBI-MBI5043GP-A_C110098.pdf; LCSC: C110098; Manufacturer: MBI; Partnumber: MBI5043GP-A; atopile_address: clusters[13].driver.package; atopile_subaddresses: [elec/layout/cluster2x2/cluster2x2.kicad_pcb:driver.package, elec/src/macroblock-mbi5043/layouts/default/default.kicad_pcb:package]
U67 = -: atopile_address: clusters[13].rows[0].pixels[0].generic_pixel; atopile_subaddresses: [elec/layout/cluster2x2/cluster2x2.kicad_pcb:rows[0].pixels[0].generic_pixel, elec/layout/pixel15hl5050/pixel15hl5050.kicad_pcb:generic_pixel, elec/layout/row2/row2.kicad_pcb:pixels[0].generic_pixel]
U68 = -: atopile_address: clusters[13].rows[0].pixels[1].generic_pixel; atopile_subaddresses: [elec/layout/cluster2x2/cluster2x2.kicad_pcb:rows[0].pixels[1].generic_pixel, elec/layout/pixel15hl5050/pixel15hl5050.kicad_pcb:generic_pixel, elec/layout/row2/row2.kicad_pcb:pixels[1].generic_pixel]
U69 = -: atopile_address: clusters[13].rows[1].pixels[0].generic_pixel; atopile_subaddresses: [elec/layout/cluster2x2/cluster2x2.kicad_pcb:rows[1].pixels[0].generic_pixel, elec/layout/pixel15hl5050/pixel15hl5050.kicad_pcb:generic_pixel, elec/layout/row2/row2.kicad_pcb:pixels[0].generic_pixel]
U70 = -: atopile_address: clusters[13].rows[1].pixels[1].generic_pixel; atopile_subaddresses: [elec/layout/cluster2x2/cluster2x2.kicad_pcb:rows[1].pixels[1].generic_pixel, elec/layout/pixel15hl5050/pixel15hl5050.kicad_pcb:generic_pixel, elec/layout/row2/row2.kicad_pcb:pixels[1].generic_pixel]
U71 = -: Datasheet: https://lcsc.com/datasheet/lcsc_datasheet_1811151431_MBI-MBI5043GP-A_C110098.pdf; LCSC: C110098; Manufacturer: MBI; Partnumber: MBI5043GP-A; atopile_address: clusters[14].driver.package; atopile_subaddresses: [elec/layout/cluster2x2/cluster2x2.kicad_pcb:driver.package, elec/src/macroblock-mbi5043/layouts/default/default.kicad_pcb:package]
U72 = -: atopile_address: clusters[14].rows[0].pixels[0].generic_pixel; atopile_subaddresses: [elec/layout/cluster2x2/cluster2x2.kicad_pcb:rows[0].pixels[0].generic_pixel, elec/layout/pixel15hl5050/pixel15hl5050.kicad_pcb:generic_pixel, elec/layout/row2/row2.kicad_pcb:pixels[0].generic_pixel]
U73 = -: atopile_address: clusters[14].rows[0].pixels[1].generic_pixel; atopile_subaddresses: [elec/layout/cluster2x2/cluster2x2.kicad_pcb:rows[0].pixels[1].generic_pixel, elec/layout/pixel15hl5050/pixel15hl5050.kicad_pcb:generic_pixel, elec/layout/row2/row2.kicad_pcb:pixels[1].generic_pixel]
U74 = -: atopile_address: clusters[14].rows[1].pixels[0].generic_pixel; atopile_subaddresses: [elec/layout/cluster2x2/cluster2x2.kicad_pcb:rows[1].pixels[0].generic_pixel, elec/layout/pixel15hl5050/pixel15hl5050.kicad_pcb:generic_pixel, elec/layout/row2/row2.kicad_pcb:pixels[0].generic_pixel]
U75 = -: atopile_address: clusters[14].rows[1].pixels[1].generic_pixel; atopile_subaddresses: [elec/layout/cluster2x2/cluster2x2.kicad_pcb:rows[1].pixels[1].generic_pixel, elec/layout/pixel15hl5050/pixel15hl5050.kicad_pcb:generic_pixel, elec/layout/row2/row2.kicad_pcb:pixels[1].generic_pixel]
U76 = -: Datasheet: https://lcsc.com/datasheet/lcsc_datasheet_1811151431_MBI-MBI5043GP-A_C110098.pdf; LCSC: C110098; Manufacturer: MBI; Partnumber: MBI5043GP-A; atopile_address: clusters[15].driver.package; atopile_subaddresses: [elec/layout/cluster2x2/cluster2x2.kicad_pcb:driver.package, elec/src/macroblock-mbi5043/layouts/default/default.kicad_pcb:package]
U77 = -: atopile_address: clusters[15].rows[0].pixels[0].generic_pixel; atopile_subaddresses: [elec/layout/cluster2x2/cluster2x2.kicad_pcb:rows[0].pixels[0].generic_pixel, elec/layout/pixel15hl5050/pixel15hl5050.kicad_pcb:generic_pixel, elec/layout/row2/row2.kicad_pcb:pixels[0].generic_pixel]
U78 = -: atopile_address: clusters[15].rows[0].pixels[1].generic_pixel; atopile_subaddresses: [elec/layout/cluster2x2/cluster2x2.kicad_pcb:rows[0].pixels[1].generic_pixel, elec/layout/pixel15hl5050/pixel15hl5050.kicad_pcb:generic_pixel, elec/layout/row2/row2.kicad_pcb:pixels[1].generic_pixel]
U79 = -: atopile_address: clusters[15].rows[1].pixels[0].generic_pixel; atopile_subaddresses: [elec/layout/cluster2x2/cluster2x2.kicad_pcb:rows[1].pixels[0].generic_pixel, elec/layout/pixel15hl5050/pixel15hl5050.kicad_pcb:generic_pixel, elec/layout/row2/row2.kicad_pcb:pixels[0].generic_pixel]
U80 = -: atopile_address: clusters[15].rows[1].pixels[1].generic_pixel; atopile_subaddresses: [elec/layout/cluster2x2/cluster2x2.kicad_pcb:rows[1].pixels[1].generic_pixel, elec/layout/pixel15hl5050/pixel15hl5050.kicad_pcb:generic_pixel, elec/layout/row2/row2.kicad_pcb:pixels[1].generic_pixel]
U81 = -: Datasheet: https://lcsc.com/datasheet/lcsc_datasheet_1811151431_MBI-MBI5043GP-A_C110098.pdf; LCSC: C110098; Manufacturer: MBI; Partnumber: MBI5043GP-A; atopile_address: clusters[16].driver.package; atopile_subaddresses: [elec/layout/cluster2x2/cluster2x2.kicad_pcb:driver.package, elec/src/macroblock-mbi5043/layouts/default/default.kicad_pcb:package]
U82 = -: atopile_address: clusters[16].rows[0].pixels[0].generic_pixel; atopile_subaddresses: [elec/layout/cluster2x2/cluster2x2.kicad_pcb:rows[0].pixels[0].generic_pixel, elec/layout/pixel15hl5050/pixel15hl5050.kicad_pcb:generic_pixel, elec/layout/row2/row2.kicad_pcb:pixels[0].generic_pixel]
U83 = -: atopile_address: clusters[16].rows[0].pixels[1].generic_pixel; atopile_subaddresses: [elec/layout/cluster2x2/cluster2x2.kicad_pcb:rows[0].pixels[1].generic_pixel, elec/layout/pixel15hl5050/pixel15hl5050.kicad_pcb:generic_pixel, elec/layout/row2/row2.kicad_pcb:pixels[1].generic_pixel]
U84 = -: atopile_address: clusters[16].rows[1].pixels[0].generic_pixel; atopile_subaddresses: [elec/layout/cluster2x2/cluster2x2.kicad_pcb:rows[1].pixels[0].generic_pixel, elec/layout/pixel15hl5050/pixel15hl5050.kicad_pcb:generic_pixel, elec/layout/row2/row2.kicad_pcb:pixels[0].generic_pixel]
U85 = -: atopile_address: clusters[16].rows[1].pixels[1].generic_pixel; atopile_subaddresses: [elec/layout/cluster2x2/cluster2x2.kicad_pcb:rows[1].pixels[1].generic_pixel, elec/layout/pixel15hl5050/pixel15hl5050.kicad_pcb:generic_pixel, elec/layout/row2/row2.kicad_pcb:pixels[1].generic_pixel]
U86 = -: Datasheet: https://lcsc.com/datasheet/lcsc_datasheet_1811151431_MBI-MBI5043GP-A_C110098.pdf; LCSC: C110098; Manufacturer: MBI; Partnumber: MBI5043GP-A; atopile_address: clusters[17].driver.package; atopile_subaddresses: [elec/layout/cluster2x2/cluster2x2.kicad_pcb:driver.package, elec/src/macroblock-mbi5043/layouts/default/default.kicad_pcb:package]
U87 = -: atopile_address: clusters[17].rows[0].pixels[0].generic_pixel; atopile_subaddresses: [elec/layout/cluster2x2/cluster2x2.kicad_pcb:rows[0].pixels[0].generic_pixel, elec/layout/pixel15hl5050/pixel15hl5050.kicad_pcb:generic_pixel, elec/layout/row2/row2.kicad_pcb:pixels[0].generic_pixel]
U88 = -: atopile_address: clusters[17].rows[0].pixels[1].generic_pixel; atopile_subaddresses: [elec/layout/cluster2x2/cluster2x2.kicad_pcb:rows[0].pixels[1].generic_pixel, elec/layout/pixel15hl5050/pixel15hl5050.kicad_pcb:generic_pixel, elec/layout/row2/row2.kicad_pcb:pixels[1].generic_pixel]
U89 = -: atopile_address: clusters[17].rows[1].pixels[0].generic_pixel; atopile_subaddresses: [elec/layout/cluster2x2/cluster2x2.kicad_pcb:rows[1].pixels[0].generic_pixel, elec/layout/pixel15hl5050/pixel15hl5050.kicad_pcb:generic_pixel, elec/layout/row2/row2.kicad_pcb:pixels[0].generic_pixel]
U90 = -: atopile_address: clusters[17].rows[1].pixels[1].generic_pixel; atopile_subaddresses: [elec/layout/cluster2x2/cluster2x2.kicad_pcb:rows[1].pixels[1].generic_pixel, elec/layout/pixel15hl5050/pixel15hl5050.kicad_pcb:generic_pixel, elec/layout/row2/row2.kicad_pcb:pixels[1].generic_pixel]
U91 = -: Datasheet: https://lcsc.com/datasheet/lcsc_datasheet_1811151431_MBI-MBI5043GP-A_C110098.pdf; LCSC: C110098; Manufacturer: MBI; Partnumber: MBI5043GP-A; atopile_address: clusters[18].driver.package; atopile_subaddresses: [elec/layout/cluster2x2/cluster2x2.kicad_pcb:driver.package, elec/src/macroblock-mbi5043/layouts/default/default.kicad_pcb:package]
U92 = -: atopile_address: clusters[18].rows[0].pixels[0].generic_pixel; atopile_subaddresses: [elec/layout/cluster2x2/cluster2x2.kicad_pcb:rows[0].pixels[0].generic_pixel, elec/layout/pixel15hl5050/pixel15hl5050.kicad_pcb:generic_pixel, elec/layout/row2/row2.kicad_pcb:pixels[0].generic_pixel]
U93 = -: atopile_address: clusters[18].rows[0].pixels[1].generic_pixel; atopile_subaddresses: [elec/layout/cluster2x2/cluster2x2.kicad_pcb:rows[0].pixels[1].generic_pixel, elec/layout/pixel15hl5050/pixel15hl5050.kicad_pcb:generic_pixel, elec/layout/row2/row2.kicad_pcb:pixels[1].generic_pixel]
U94 = -: atopile_address: clusters[18].rows[1].pixels[0].generic_pixel; atopile_subaddresses: [elec/layout/cluster2x2/cluster2x2.kicad_pcb:rows[1].pixels[0].generic_pixel, elec/layout/pixel15hl5050/pixel15hl5050.kicad_pcb:generic_pixel, elec/layout/row2/row2.kicad_pcb:pixels[0].generic_pixel]
U95 = -: atopile_address: clusters[18].rows[1].pixels[1].generic_pixel; atopile_subaddresses: [elec/layout/cluster2x2/cluster2x2.kicad_pcb:rows[1].pixels[1].generic_pixel, elec/layout/pixel15hl5050/pixel15hl5050.kicad_pcb:generic_pixel, elec/layout/row2/row2.kicad_pcb:pixels[1].generic_pixel]
U96 = -: Datasheet: https://lcsc.com/datasheet/lcsc_datasheet_1811151431_MBI-MBI5043GP-A_C110098.pdf; LCSC: C110098; Manufacturer: MBI; Partnumber: MBI5043GP-A; atopile_address: clusters[19].driver.package; atopile_subaddresses: [elec/layout/cluster2x2/cluster2x2.kicad_pcb:driver.package, elec/src/macroblock-mbi5043/layouts/default/default.kicad_pcb:package]
U97 = -: atopile_address: clusters[19].rows[0].pixels[0].generic_pixel; atopile_subaddresses: [elec/layout/cluster2x2/cluster2x2.kicad_pcb:rows[0].pixels[0].generic_pixel, elec/layout/pixel15hl5050/pixel15hl5050.kicad_pcb:generic_pixel, elec/layout/row2/row2.kicad_pcb:pixels[0].generic_pixel]
U98 = -: atopile_address: clusters[19].rows[0].pixels[1].generic_pixel; atopile_subaddresses: [elec/layout/cluster2x2/cluster2x2.kicad_pcb:rows[0].pixels[1].generic_pixel, elec/layout/pixel15hl5050/pixel15hl5050.kicad_pcb:generic_pixel, elec/layout/row2/row2.kicad_pcb:pixels[1].generic_pixel]
U99 = -: atopile_address: clusters[19].rows[1].pixels[0].generic_pixel; atopile_subaddresses: [elec/layout/cluster2x2/cluster2x2.kicad_pcb:rows[1].pixels[0].generic_pixel, elec/layout/pixel15hl5050/pixel15hl5050.kicad_pcb:generic_pixel, elec/layout/row2/row2.kicad_pcb:pixels[0].generic_pixel]
U100 = -: atopile_address: clusters[19].rows[1].pixels[1].generic_pixel; atopile_subaddresses: [elec/layout/cluster2x2/cluster2x2.kicad_pcb:rows[1].pixels[1].generic_pixel, elec/layout/pixel15hl5050/pixel15hl5050.kicad_pcb:generic_pixel, elec/layout/row2/row2.kicad_pcb:pixels[1].generic_pixel]
U101 = -: Datasheet: https://lcsc.com/datasheet/lcsc_datasheet_1811151431_MBI-MBI5043GP-A_C110098.pdf; LCSC: C110098; Manufacturer: MBI; Partnumber: MBI5043GP-A; atopile_address: clusters[20].driver.package; atopile_subaddresses: [elec/layout/cluster2x2/cluster2x2.kicad_pcb:driver.package, elec/src/macroblock-mbi5043/layouts/default/default.kicad_pcb:package]
U102 = -: atopile_address: clusters[20].rows[0].pixels[0].generic_pixel; atopile_subaddresses: [elec/layout/cluster2x2/cluster2x2.kicad_pcb:rows[0].pixels[0].generic_pixel, elec/layout/pixel15hl5050/pixel15hl5050.kicad_pcb:generic_pixel, elec/layout/row2/row2.kicad_pcb:pixels[0].generic_pixel]
U103 = -: atopile_address: clusters[20].rows[0].pixels[1].generic_pixel; atopile_subaddresses: [elec/layout/cluster2x2/cluster2x2.kicad_pcb:rows[0].pixels[1].generic_pixel, elec/layout/pixel15hl5050/pixel15hl5050.kicad_pcb:generic_pixel, elec/layout/row2/row2.kicad_pcb:pixels[1].generic_pixel]
U104 = -: atopile_address: clusters[20].rows[1].pixels[0].generic_pixel; atopile_subaddresses: [elec/layout/cluster2x2/cluster2x2.kicad_pcb:rows[1].pixels[0].generic_pixel, elec/layout/pixel15hl5050/pixel15hl5050.kicad_pcb:generic_pixel, elec/layout/row2/row2.kicad_pcb:pixels[0].generic_pixel]
U105 = -: atopile_address: clusters[20].rows[1].pixels[1].generic_pixel; atopile_subaddresses: [elec/layout/cluster2x2/cluster2x2.kicad_pcb:rows[1].pixels[1].generic_pixel, elec/layout/pixel15hl5050/pixel15hl5050.kicad_pcb:generic_pixel, elec/layout/row2/row2.kicad_pcb:pixels[1].generic_pixel]
U106 = -: Datasheet: https://lcsc.com/datasheet/lcsc_datasheet_1811151431_MBI-MBI5043GP-A_C110098.pdf; LCSC: C110098; Manufacturer: MBI; Partnumber: MBI5043GP-A; atopile_address: clusters[21].driver.package; atopile_subaddresses: [elec/layout/cluster2x2/cluster2x2.kicad_pcb:driver.package, elec/src/macroblock-mbi5043/layouts/default/default.kicad_pcb:package]
U107 = -: atopile_address: clusters[21].rows[0].pixels[0].generic_pixel; atopile_subaddresses: [elec/layout/cluster2x2/cluster2x2.kicad_pcb:rows[0].pixels[0].generic_pixel, elec/layout/pixel15hl5050/pixel15hl5050.kicad_pcb:generic_pixel, elec/layout/row2/row2.kicad_pcb:pixels[0].generic_pixel]
U108 = -: atopile_address: clusters[21].rows[0].pixels[1].generic_pixel; atopile_subaddresses: [elec/layout/cluster2x2/cluster2x2.kicad_pcb:rows[0].pixels[1].generic_pixel, elec/layout/pixel15hl5050/pixel15hl5050.kicad_pcb:generic_pixel, elec/layout/row2/row2.kicad_pcb:pixels[1].generic_pixel]
U109 = -: atopile_address: clusters[21].rows[1].pixels[0].generic_pixel; atopile_subaddresses: [elec/layout/cluster2x2/cluster2x2.kicad_pcb:rows[1].pixels[0].generic_pixel, elec/layout/pixel15hl5050/pixel15hl5050.kicad_pcb:generic_pixel, elec/layout/row2/row2.kicad_pcb:pixels[0].generic_pixel]
U110 = -: atopile_address: clusters[21].rows[1].pixels[1].generic_pixel; atopile_subaddresses: [elec/layout/cluster2x2/cluster2x2.kicad_pcb:rows[1].pixels[1].generic_pixel, elec/layout/pixel15hl5050/pixel15hl5050.kicad_pcb:generic_pixel, elec/layout/row2/row2.kicad_pcb:pixels[1].generic_pixel]
U111 = -: Datasheet: https://lcsc.com/datasheet/lcsc_datasheet_1811151431_MBI-MBI5043GP-A_C110098.pdf; LCSC: C110098; Manufacturer: MBI; Partnumber: MBI5043GP-A; atopile_address: clusters[22].driver.package; atopile_subaddresses: [elec/layout/cluster2x2/cluster2x2.kicad_pcb:driver.package, elec/src/macroblock-mbi5043/layouts/default/default.kicad_pcb:package]
